# KiCad board sun3_60.kicad_pcb (continued)
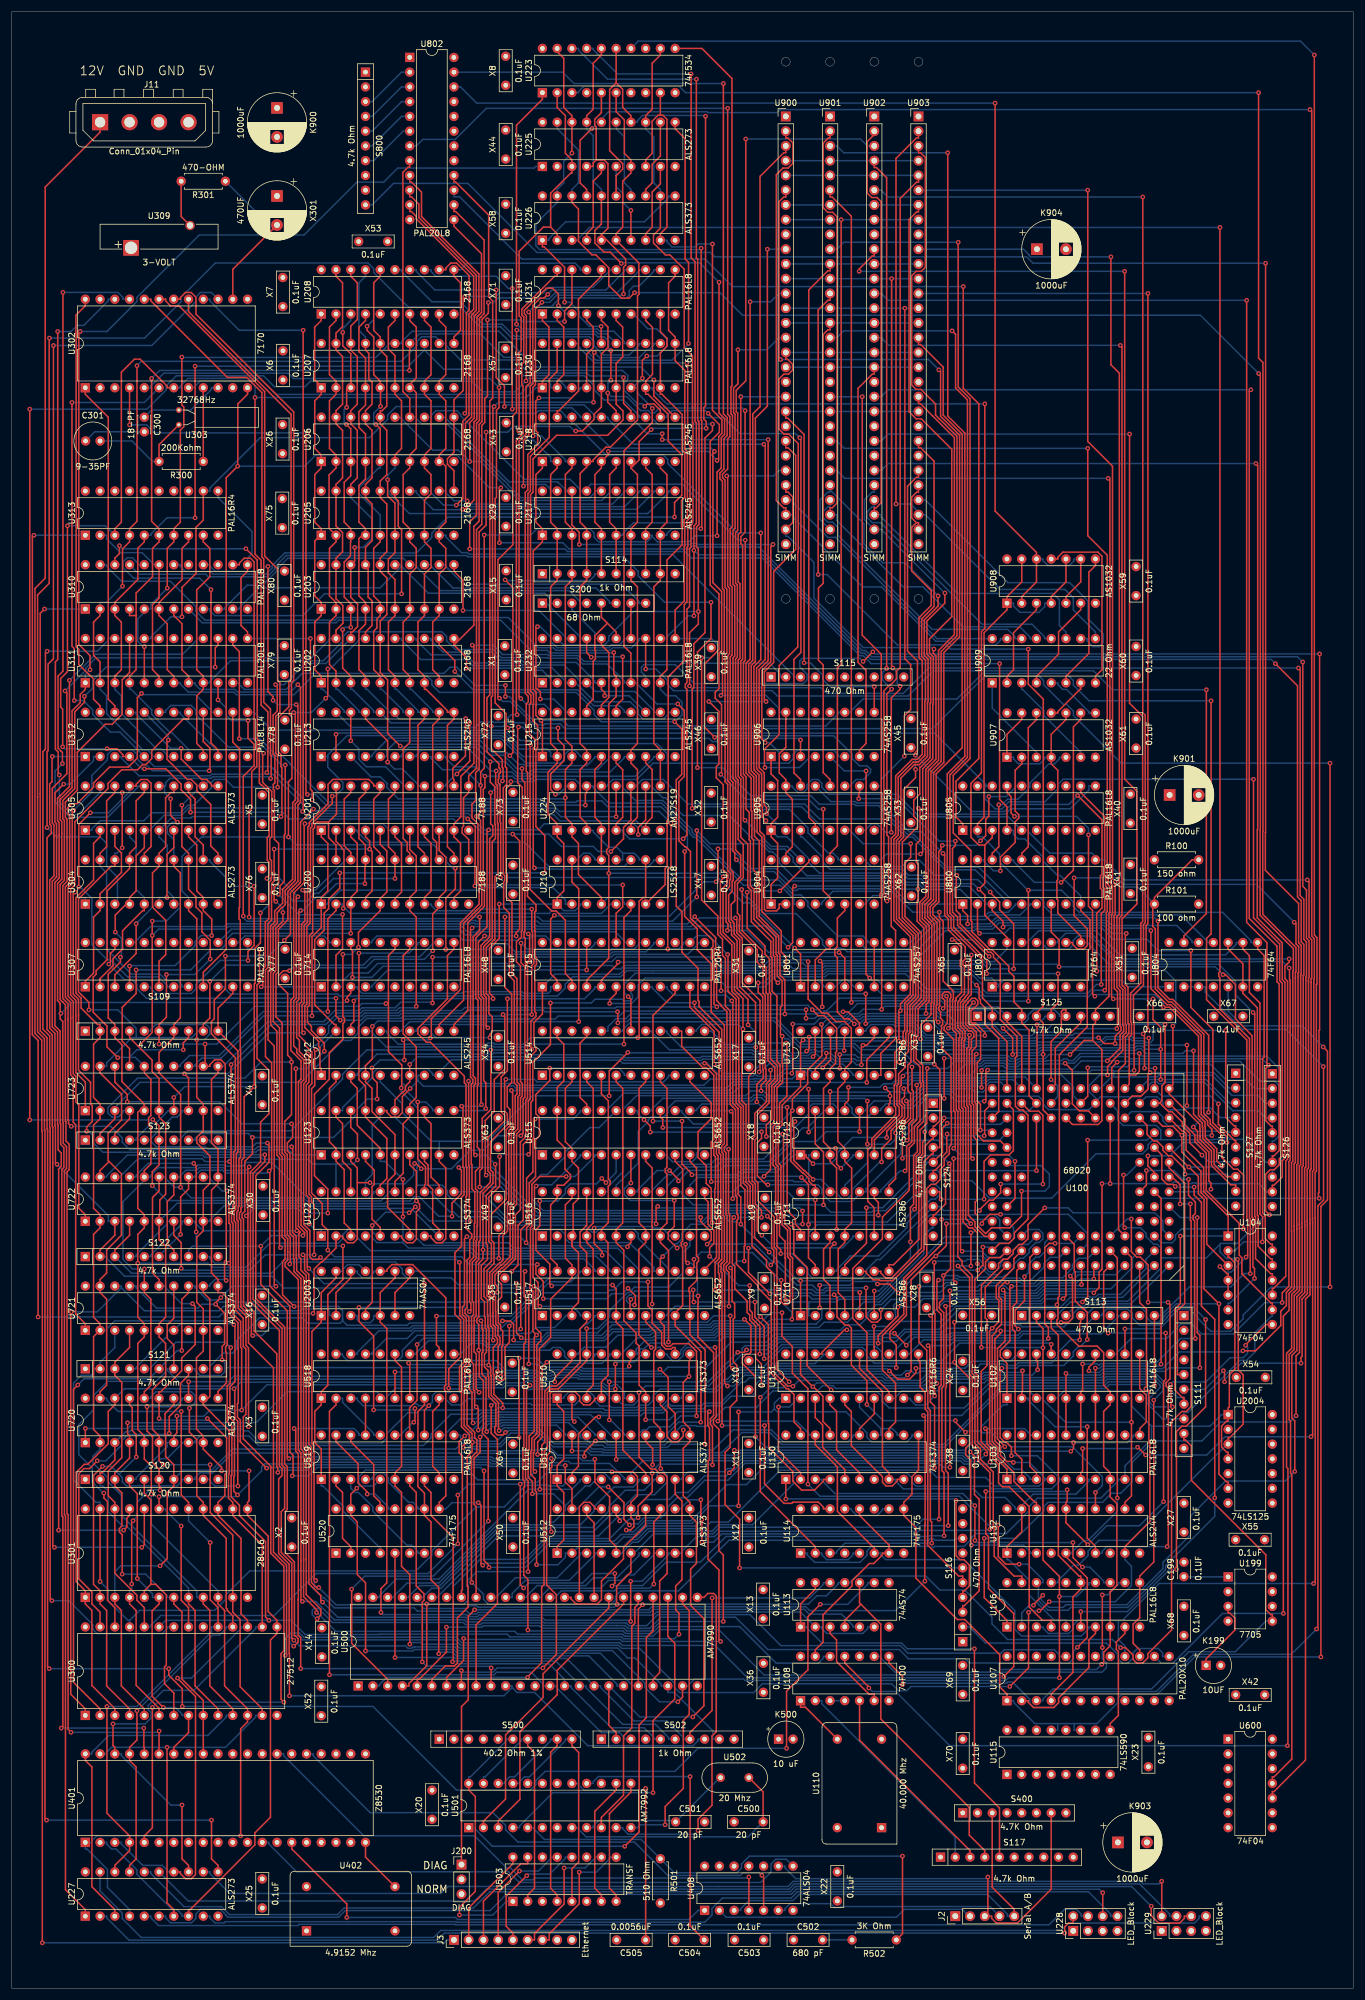
[diagram p0: board, top side]
## Routing (per net, layer and track width the routed paths; a pad name or vN(x,y) marks a point on that pad's centre or on a via; arc(x,y) is an arc through that point) (continued)
  Bottom w0.25: U232.19 95.11,231.29 102.1,231.29 102.87,232.07 102.87,232.8 107.14,237.07 v1(118.3,237.07) ; v1(221.68,227.34) 157.97,227.34 153.6,222.97 140.41,222.97 139.43,223.95 117.09,223.95 v1(116.78,224.26) ; v1(167.55,77.49) 173.07,77.49 177.81,82.24 177.81,82.97 178.53,83.69 187.9,83.69 189.46,85.24 191.05,85.24 193.06,87.25 193.06,90.6 196.72,94.25 205.02,94.25 208.29,97.53 220.19,97.53 v1(221.26,98.59) ; U223.18 97.65,334.02 97.65,333.74 102.65,328.73 v1(117.96,328.73)
/sun3_60_cpu/BERRCLK: length 308.6
  Top w0.25: U106.19 174,70.99 172.68,70.99 169.26,74.41 169.26,79.34 169.11,79.49 169.11,88.9 166.9,91.11 166.9,92.87 165.94,93.82 165.94,105.42 165.47,105.89 165.47,122.74 163.74,124.47 163.74,125.23 163.01,125.96 163.01,151.01 162.73,151.29 162.73,164.43 162.1,165.06 162.1,170.23 162.24,170.37 162.24,171.67 160.47,173.44 160.47,183.73 159.82,184.38 v1(159.82,185.3) ; v1(124.85,194.33) 124.58,194.6 124.58,195.51 124.26,195.83 124.26,207.68 123.8,208.13 123.8,229.28 124.12,229.59 124.12,241.29 123.8,241.6 123.8,251.34 124.17,251.71 124.17,270.83 123.92,271.09 123.92,275.73 124.09,275.9 124.09,328.85 118.91,334.02 U223.11
  Bottom w0.25: v1(124.85,194.33) 126.89,192.3 131.33,192.3 134.59,189.04 135.22,189.04 135.53,189.34 151.21,189.34 155.25,185.3 v1(159.82,185.3)
/sun3_60_cpu/BG-: length 65.5
  Top w0.25: v1(159,102.01) 159,102.95 158.6,103.34 158.6,103.98 158.6,103.98 158.6,115.57 v1(158.3,115.87)
  Bottom w0.25: U100.15 195.41,125.55 195.41,123.92 190.98,119.49 187.2,119.49 186.73,119.02 185.73,119.02 185.52,119.23 185.52,119.23 185.27,119.49 178.36,119.49 177.22,118.35 170.81,118.35 170.53,118.63 162.55,118.63 162.22,118.3 160.69,118.3 158.3,115.92 v1(158.3,115.87) ; U131.9 154.81,101.6 154.81,101.4 155.76,100.45 157.45,100.45 v1(159,102.01)
/sun3_60_cpu/BR-: length 58.9
  Top w0.25: 148.6,109.22 148.6,110.35 148.55,110.4 v1(148.55,113.98)
  Bottom w0.25: U100.16 193.08,125.75 193.08,124.15 189.4,120.47 185.82,120.47 185.8,120.46 177.96,120.46 176.76,119.25 171.18,119.25 170.9,119.53 162.17,119.53 161.84,119.2 154.34,119.2 153.32,118.18 152.52,118.18 151.94,117.6 151.94,116.94 152.27,116.61 152.27,115.38 150.87,113.98 v1(148.55,113.98)
/sun3_60_cpu/C.S5-: length 437
  Top w0.25: 138.44,95.26 138.44,93.6 142.25,89.79 142.25,82.13 148.32,76.07 148.6,76.07 U114.6 ; U313.8 30.48,249.07 29.35,247.95 29.35,242.58 25.4,238.63 U310.6 25.4,236.37 26.81,234.96 26.81,227.05 27.94,225.93 U311.7 ; v1(114.2,218.09) 115.43,216.86 115.43,209.02 114.5,208.09 114.5,186.36 115.48,185.38 115.48,178.41 118.24,175.65 118.24,170.12 118.43,169.93 118.43,169.05 122.32,165.16 122.32,150.34 122.32,150.33 122.32,145.63 121.87,145.18 121.87,143.83 122.15,143.55 122.15,132.89 122.33,132.7 122.33,125.48 122.19,125.34 122.19,125.34 121.76,124.91 121.76,123.19 121.92,123.02 121.92,97.94 v1(121.64,97.67) ; U232.9 111.76,225.93 112.89,227.05 112.89,245.94 115.51,248.56 115.51,251.56 115.4,251.66 115.4,256.18 115.96,256.73 115.96,264.41 115.51,264.86 115.51,268.7 115.51,268.71 115.51,271.01 112.04,274.47 111.76,274.47 U230.9 111.76,281.63 112.89,282.75 112.89,284.12 111.76,285.25 U231.9 ; U107.2 175.13,49.54 175.13,49.26 176.02,48.37 179.53,48.37 180.35,49.19 180.35,50.02 185.58,55.24 185.58,59.99 186.71,61.11 U106.7
  Bottom w0.25: U114.6 149.73,74.94 149.73,74.66 150.58,73.81 164.03,73.81 172.8,65.05 172.8,61.85 173.99,60.66 184.24,60.66 185.58,62 185.58,62.24 U106.7 ; 138.44,95.26 137.32,95.26 137.32,95.54 135.19,97.67 v1(121.64,97.67) ; U311.7 29.07,224.8 29.07,224.57 30.43,223.2 38.25,223.2 38.7,222.75 48.65,222.75 51.83,225.93 71.58,225.93 72.39,225.13 72.39,224.46 73.71,223.14 97.25,223.14 100.33,220.06 100.33,219.33 101.57,218.09 v1(114.2,218.09) 114.31,218.09 115.49,219.27 115.49,221.46 114.37,222.57 112.86,222.57 111.76,223.67 U232.9
/sun3_60_cpu/C.S7: length 8.8
  Bottom w0.25: U114.13 144.65,82.56 144.65,82.38 145.6,81.43 149.07,81.43 150.02,82.38 150.02,82.56 U114.10
/sun3_60_cpu/C.S7X-: length 219.7
  Top w0.25: v1(118.87,229.13) 118.87,187.4 121.65,184.62 121.65,181.47 122.46,180.66 122.46,177.85 122.95,177.35 122.95,169.12 123.78,168.29 123.78,152.21 124.25,151.74 124.71,151.28 124.71,136.52 124.96,136.27 124.96,133.31 125.14,133.12 125.14,132.45 124.96,132.27 124.96,131.96 124.88,131.88 124.88,124.68 128.61,120.95 128.61,120.57 130.86,118.32 130.86,105.86 133.46,103.27 133.76,103.27 134.77,102.25 134.77,97.52 135.91,96.39 U130.19 ; U232.11 114.3,237.32 115.88,238.9 115.88,248.3 115.96,248.38 115.96,251.74 115.86,251.85 115.86,252.83 116.41,253.38 116.41,264.6 115.96,265.04 115.96,278.6 114.3,280.26 U230.11 114.3,284.35 113.17,285.47 113.17,293.67 114.3,294.79 U231.11
  Bottom w0.25: v1(118.87,229.13) 120.51,229.13 121.67,230.29 121.67,231.32 120.57,232.42 U232.11
/sun3_60_cpu/C.S9-: length 238.4
  Top w0.25: v1(129.7,96.91) 129.7,86.87 133.06,83.51 134.39,83.51 134.6,83.72 138.98,83.72 139.86,82.84 139.86,82.56 U114.14 ; U311.14 38.1,231.29 39.23,230.17 v1(39.23,215.17) ; v1(122.37,96.91) 122.37,123.21 122.21,123.38 122.21,124.73 122.37,124.89 122.38,124.89 122.78,125.3 122.78,132.89 122.6,133.07 122.6,143.73 122.32,144.01 122.32,144.99 122.77,145.45 122.77,165.86 120.51,168.12 120.51,176.41 118.11,178.81 118.11,182.43 115.93,184.6 v1(115.93,195.74)
  Bottom w0.25: v1(129.7,96.91) v1(122.37,96.91) ; v1(39.23,215.17) 42.74,215.17 45.75,212.16 46.69,212.16 47.98,210.88 47.98,210.79 54.54,204.23 97.2,204.23 97.43,204.46 101.68,204.46 102.68,203.46 111.86,203.46 116.33,198.99 116.33,198.68 116.42,198.59 116.42,196.22 v1(115.93,195.74)
/sun3_60_cpu/C.S21-: length 333.9
  Top w0.25: v1(49.3,224.47) 49.77,224 49.77,204.22 49.31,203.77 49.31,190.59 48.49,189.77 48.49,189.77 47.59,188.87 47.59,183.97 45.96,182.34 45.96,175.01 45.53,174.59 45.53,167.28 46.6,166.21 46.6,143.83 47.05,143.38 47.05,129.58 47.55,129.07 47.55,126.85 47.55,126.85 47.55,125.39 47.12,124.96 47.12,124.3 49.39,122.03 49.39,92.7 49.84,92.24 49.84,92.11 49.84,92.1 49.84,73.58 49.84,73.58 49.84,66.87 v1(50.08,66.63) ; U311.8 30.48,225.93 29.35,227.05 29.35,234.96 27.94,236.37 U310.7
  Bottom w0.25: U107.20 180.5,57.16 180.5,57.44 179.65,58.29 171.01,58.29 170.43,57.72 154.39,57.72 153.1,59.01 132.53,59.01 127.19,64.35 111.29,64.35 109.39,62.45 106.33,62.45 105.86,62.93 91.73,62.93 91.28,63.38 80.89,63.38 80.62,63.1 78.35,63.1 78,63.45 55.6,63.45 52.42,66.63 v1(50.08,66.63) ; U311.8 31.61,224.8 31.61,224.52 32.47,223.66 38.43,223.66 38.88,223.2 48.03,223.2 v1(49.3,224.47)
/sun3_60_cpu/CLK1: length 319.1
  Top w0.25: v1(190.09,190.49) 190.09,184.87 189.94,184.71 189.94,172.18 190.5,171.62 190.5,165.37 v1(190.38,165.25) ; v1(62.13,131.36) 62.13,118.14 60.96,116.97 U2003.4 ; v1(68.47,133.55) 68.53,133.55 v1(69.55,134.57) ; v1(134.56,166.04) 134.56,157.73 v1(134.4,157.57) ; v1(161.37,165.3) 161.64,165.58 161.64,170.41 161.79,170.55 161.79,171.15 161.36,171.58 160.75,171.58 160.32,171.14 160.32,170.54 160.74,170.11 160.74,169.02 v1(160.47,168.75) ; v1(78.73,156.22) 78.73,141.74 78.85,141.62 78.85,132.29 v1(79.01,132.13) ; R100.2 203.36,194.32 196.87,187.83 R101.1 196.57,186.41 196.57,182.86 197.02,182.41 197.02,172.09 199.29,169.83 199.85,169.83 205.37,164.31 205.37,150.65 206.47,149.55 206.47,148.87 206.54,148.81 206.54,148.81 208.5,146.85 208.5,143.05 210.5,141.05 211.2,141.05 212.2,140.05 v1(212.2,130.77)
  Bottom w0.25: v1(78.73,156.22) 79.15,155.79 85.8,155.79 85.87,155.87 86.64,155.87 87,155.51 119.27,155.51 120.32,156.56 127.84,156.56 127.94,156.67 128.23,156.67 128.28,156.62 132.19,156.62 133.14,157.57 v1(134.4,157.57) ; v1(190.09,190.49) 190.94,189.64 193.93,189.64 R101.1 ; v1(190.38,165.25) 183.14,165.25 182.52,164.63 176.38,164.63 175.82,164.06 170.33,164.06 169.08,165.3 v1(161.37,165.3) ; v1(79.01,132.13) 71.99,132.13 v1(69.55,134.57) ; v1(68.47,133.55) 68.39,133.63 64.4,133.63 v1(62.13,131.36) ; U100.28 198.03,128.37 199.9,128.37 200.49,128.97 200.49,129.73 201.54,130.77 v1(212.2,130.77) ; v1(160.47,168.75) 159.66,169.55 145.71,169.55 143.54,167.39 140.77,167.39 140.74,167.37 140.33,167.37 139.98,167.03 139.23,167.03 138.24,166.04 v1(134.56,166.04)
/sun3_60_cpu/CLK2X: length 16.4
  Top w0.25: U108.6 148.6,50.67 147.7,50.67 142.11,56.25 142.11,59.99 140.99,61.11 U113.3
/sun3_60_cpu/CLKA: length 160.4
  Top w0.25: v1(52.38,70.22) 52.1,70.5 52.1,93.45 51.73,93.83 51.73,113.1 53.34,114.72 U2003.1 53.34,119.8 55.88,122.34 U2003.13
  Bottom w0.25: v1(52.38,70.22) 52.17,70.02 52.17,68.71 53.65,67.23 53.87,67.23 55.59,65.52 69.34,65.52 69.91,64.95 78.41,64.95 78.91,64.46 80.06,64.46 80.33,64.73 109.95,64.73 110.47,65.26 136.57,65.26 137.39,64.44 142.94,64.44 144.94,62.44 144.94,62.24 U113.5 ; U2003.11 59.83,124.59 57.85,124.59 57.01,123.75 57.01,123.47 U2003.13
/sun3_60_cpu/CLKA-: length 155.5
  Top w0.25: v1(63.62,64.73) 63.62,68.83 64.63,69.84 64.63,113.59 63.5,114.72 U2003.5 63.5,119.8 66.04,122.34 U2003.9
  Bottom w0.25: U2003.3 59.55,115.84 59.55,115.15 60.07,114.63 61.8,114.63 62.37,115.21 62.37,115.84 U2003.5 ; U113.6 147.48,62.24 147.48,61.96 146.63,61.11 140.42,61.11 139.57,61.96 139.57,62.24 U113.2 135.88,64.81 111.11,64.81 110.59,64.28 80.52,64.28 80.24,64.01 78.72,64.01 78.37,64.35 64,64.35 v1(63.62,64.73)
/sun3_60_cpu/D0: length 288.4
  Top w0.25: v1(165.71,169.74) 164.81,168.83 164.81,166.18 165.24,165.75 165.78,165.75 166.92,164.62 166.92,159.99 166.34,159.42 166.34,152.79 166.34,152.78 166.9,152.23 v1(166.9,147.77) ; U900.3 133.37,316.06 133,316.06 128.93,311.99 128.93,272.35 127.67,271.09 127.67,228.67 126.97,227.97 126.97,209.44 127.85,208.56 127.85,202.99 127.97,202.87 127.97,198.37 128.79,197.55 128.79,189.58 128.79,189.58 128.79,184.58 132.13,181.24 132.13,178.26 132.35,178.03 132.35,174.49 133.2,173.65 v1(133.2,167.78) ; v1(157.31,147.48) 157.31,146.05 156.94,145.68 156.94,143.67 156.28,143.02 156.28,128.96 151.92,124.59 151.15,124.59 U710.8
  Bottom w0.25: v1(157.31,147.48) 157.64,147.81 157.64,149.86 S124.2 159.89,149.86 159.89,149.18 160.84,148.23 166.44,148.23 v1(166.9,147.77) 168.47,147.77 U100.130 ; v1(165.71,169.74) 165.48,169.97 160.88,169.97 160.35,170.51 142.61,170.51 140.37,168.27 139.95,168.27 139.61,167.93 138.63,167.93 138.48,167.78 v1(133.2,167.78) 106.61,167.78 105.8,166.97 104.12,166.97 102.73,165.58 102.73,164.84 U514.20
/sun3_60_cpu/D1: length 299.1
  Top w0.25: v1(132.47,280.46) 132.19,280.73 132.19,307.63 133,308.44 133.37,308.44 U900.6 ; U710.9 149.73,123.47 149.73,123.18 150.58,122.34 151.62,122.34 156.73,127.46 156.73,142.83 157.39,143.49 157.39,145.1 158.48,146.19 158.77,146.19 S124.3 158.77,148.45 158.96,148.45 159.9,149.38 159.9,158.17 v1(158.95,159.12) 158.95,165.97 158.84,166.08 158.84,169.42 158.96,169.54 158.96,169.83 158.96,169.83 158.96,183.32 158.47,183.82 158.47,183.83 157.79,184.51 157.79,186.42 158.82,187.45 158.82,196.1 158.82,196.1 158.82,196.84 158.81,196.85 158.81,209.31 160.58,211.08 160.58,230 163.3,232.72 163.3,267.42 160.03,270.69 160.03,278.39 v1(159.74,278.68)
  Bottom w0.25: U514.19 105.27,164.84 105.27,165.03 106.66,166.42 123.13,166.42 123.33,166.63 131.28,166.63 134.65,163.26 134.65,163.13 135.67,162.11 137.26,162.11 137.31,162.05 137.38,162.05 137.38,162.06 138.73,162.06 138.74,162.05 139.7,162.05 139.86,162.21 144.96,162.21 146.46,160.72 154.06,160.72 155.66,159.12 v1(158.95,159.12) ; S124.3 159.89,147.32 161.14,146.08 170.22,146.08 U100.129 ; v1(159.74,278.68) 157.96,280.46 v1(132.47,280.46)
/sun3_60_cpu/D2: length 274.9
  Top w0.25: v1(166.22,172.75) 166.67,172.29 166.67,170.45 166.89,170.23 166.89,169.63 167.72,168.8 167.72,165.87 170.04,163.56 170.04,150.97 U100.143 ; v1(130.19,299.46) 130.19,272.43 128.12,270.37 128.12,228.48 128.01,228.37 128.01,228.37 127.42,227.78 127.42,209.63 127.87,209.18 127.87,209.18 128.3,208.75 128.3,203.18 128.42,203.06 128.42,199.07 129.24,198.26 129.24,185.41 132.58,182.07 132.58,178.44 133.39,177.64 v1(133.39,175.36) ; v1(106.21,170.76) 106.68,170.29 U514.18 ; U710.10 147.19,123.47 147.19,123.21 148.41,122 149.46,122 149.59,121.87 151.8,121.87 157.19,127.25 157.19,142.36 158.48,143.65 158.77,143.65 S124.4 159.89,144.78 159.89,148.72 160.63,149.45 v1(160.63,149.86)
  Bottom w0.25: 133.39,175.18 v1(133.39,175.36) ; 133.39,175.18 133.41,175.15 139.83,175.15 140.27,175.59 154.81,175.59 154.82,175.6 163.23,175.6 166.08,172.75 v1(166.22,172.75) ; 133.39,175.18 130.96,175.18 130.56,174.78 110.48,174.78 110.47,174.78 107.41,174.78 105.54,172.91 105.54,171.44 v1(106.21,170.76) ; U100.143 v1(160.63,149.86) ; U900.10 v1(130.19,299.46)
/sun3_60_cpu/D3: length 264.1
  Top w0.25: v1(132.49,126.52) 132.49,127.17 131.83,127.83 131.83,133.07 131.61,133.29 131.61,141.31 131.18,141.73 131.18,148.41 131.84,149.06 131.84,155.04 132.81,156.02 132.81,159.25 132.74,159.32 v1(132.74,163.95) 132.44,164.25 132.44,168.93 132.73,169.22 132.73,173.48 131.9,174.3 131.9,177.84 131.68,178.07 131.68,181.05 128.33,184.4 128.33,192.03 127.79,192.57 127.79,197.76 127.52,198.04 127.52,202.68 127.39,202.81 127.39,208.37 126.52,209.25 126.52,228.16 126.83,228.47 126.83,228.47 127.22,228.86 v1(127.22,290.4) ; v1(147.26,134.41) 147.26,128.33 143.53,124.59 U710.11 ; v1(161.17,148.95) 160.35,148.14 160.35,143.9 158.77,142.31 S124.5
  Bottom w0.25: U100.142 170.37,148.77 161.35,148.77 v1(161.17,148.95) ; U514.17 110.35,164.84 110.35,164.56 113.31,161.59 127.62,161.59 127.9,161.32 129.18,161.32 129.37,161.51 133.23,161.51 134.19,162.47 134.19,163.07 133.77,163.5 133.19,163.5 v1(132.74,163.95) ; v1(147.26,134.41) 150.06,134.41 157.64,142 157.64,142.24 S124.5 ; v1(132.49,126.52) 134.45,126.52 137.18,123.79 137.18,123.07 137.91,122.33 142.39,122.33 U710.11 ; U900.13 132.19,291.84 130.76,290.4 v1(127.22,290.4)
/sun3_60_cpu/D4: length 252.6
  Top w0.25: v1(161.15,147.1) 161.09,147.05 161.09,144 160.2,143.11 160.2,141.98 159.05,140.83 158.77,140.83 S124.6 ; 128.15,162.05 128.15,169.74 125.42,172.47 125.42,180.61 124.46,181.57 124.46,183.34 124.34,183.45 124.34,183.63 123.97,184.01 123.97,186.65 124.58,187.26 124.58,190.44 125.58,191.45 125.58,195.15 124.71,196.02 124.71,207.87 124.26,208.32 124.26,229.09 124.57,229.41 124.57,241.48 124.26,241.79 124.26,251.03 124.62,251.4 124.62,271.02 124.37,271.28 124.37,275.54 125.12,276.29 v1(125.12,282.14) ; 128.15,162.05 v1(128.2,162.05) ; 128.15,162.05 128.15,158.21 126.97,157.02 126.97,139.02 127.67,138.32 127.67,134.83 128.44,134.06 128.44,130.48 v1(129.23,129.68) ; U710.12 140.99,127.49 v1(141.74,128.24) ; U100.156 167.62,151.1 167.62,146.88 v1(167.55,146.81)
  Bottom w0.25: v1(129.23,129.68) 130.68,128.24 v1(141.74,128.24) ; v1(167.55,146.81) 161.44,146.81 v1(161.15,147.1) ; v1(128.2,162.05) 115.39,162.05 112.89,164.55 112.89,164.84 U514.16 ; U710.12 142.11,123.47 142.11,123.75 144.47,126.1 149.33,126.1 154.24,131.02 154.24,131.76 158.37,135.89 159.09,135.89 159.9,136.7 159.9,137.71 159.04,138.57 158.77,138.57 S124.6 ; v1(125.12,282.14) 130.11,282.14 132.19,284.22 133.37,284.22
/sun3_60_cpu/D5: length 264.3
  Top w0.25: v1(120.51,138.91) 120.51,145.74 120.97,146.19 120.97,151.07 120.96,151.07 120.96,154.3 120.97,154.3 120.97,157.25 119.65,158.56 119.06,158.56 115.43,162.2 115.43,164.84 U514.15 ; v1(125.61,274.06) 125.61,250.77 125.63,250.75 125.16,250.28 125.16,242.16 125.47,241.85 125.47,229.03 125.16,228.72 125.16,208.69 125.61,208.24 125.61,198.2 126.81,197 126.81,189.64 127.01,189.44 127.43,189.02 127.43,183.64 130.77,180.3 130.77,177.69 131,177.47 131,171.69 131.84,170.85 131.84,159.58 132.36,159.06 132.36,156.21 131.39,155.23 131.39,149.25 130.73,148.6 130.73,140.95 v1(129.6,139.82) ; v1(136.04,139.64) 137.27,138.41 v1(137.27,131.53) 137.27,125.77 138.44,124.59 U710.13 ; U100.155 172.56,151.3 172.56,144.25 171.83,143.51 168.63,143.51 167.52,142.4 v1(167.52,135.89) ; S124.7 159.89,137.16 159.89,136.09 v1(160.11,135.86)
  Bottom w0.25: v1(120.51,138.91) 125.05,138.91 125.78,139.63 129.41,139.63 v1(129.6,139.82) 135.86,139.82 v1(136.04,139.64) ; S124.7 156.06,137.16 150.85,131.95 137.69,131.95 v1(137.27,131.53) ; U900.20 v1(125.61,274.06) ; v1(167.52,135.89) 167.49,135.86 v1(160.11,135.86)
/sun3_60_cpu/D6: length 248.8
  Top w0.25: v1(135.91,121.82) U710.1 ; v1(177.65,138.49) 177.65,150.33 176.93,151.04 175.36,151.04 U100.154 ; v1(166.74,133.94) 166.74,134.07 168.39,135.71 169.1,135.71 170.38,136.99 v1(170.38,138.49) ; v1(129.97,221.57) 129.68,221.87 129.68,226.71 131.27,228.3 131.27,243.97 135.06,247.76 135.06,263.95 133.76,265.26 133.37,265.26 133.37,266.44 ; v1(130.5,126.77) 127.99,129.28 127.99,133.87 127.21,134.65 127.21,138.13 126.51,138.83 126.51,152.1 125.79,152.82 125.79,164.98 v1(125.99,165.18) 125.99,170.41 124.52,171.87 124.52,179.88 122.55,181.84 122.55,189.49 123.22,190.16 123.22,191 123.4,191.18 123.4,191.78 122.58,192.61 122.58,207.25 121.39,208.44 121.39,210.37 121.84,210.82 121.84,219.86 120.13,221.57 v1(120.1,221.57)
  Bottom w0.25: U514.14 117.97,164.84 117.97,165.04 118.9,165.97 125.2,165.97 v1(125.99,165.18) ; v1(166.74,133.94) 160.58,133.94 159.89,134.62 S124.8 149.64,125.49 149.03,125.49 147.27,123.74 147.27,123 146.44,122.17 144.89,122.17 144.54,121.82 v1(135.91,121.82) 135.45,121.82 v1(130.5,126.77) ; v1(129.97,221.57) v1(120.1,221.57) ; v1(170.38,138.49) v1(177.65,138.49)
/sun3_60_cpu/D7: length 243.9
  Top w0.25: v1(133.35,118.48) 133.3,118.54 133.3,125.7 133.22,125.77 133.22,128.65 132.28,129.59 132.28,133.3 132.06,133.52 132.06,141.49 131.64,141.92 131.64,148.22 132.29,148.88 132.29,152.39 133.54,153.64 133.54,162.7 v1(133.47,162.77) ; S124.9 158.77,133.21 159.01,133.21 160.88,135.07 v1(160.88,140.8) ; U100.140 v1(176.55,140.8) ; v1(126.86,165.9) 126.86,170.28 124.97,172.17 124.97,180.42 124.01,181.38 124.01,182.6 123.85,182.75 123.85,183.49 123.52,183.82 123.52,188.27 124.13,188.88 124.13,190.63 124.31,190.81 124.31,192.16 123.8,192.66 123.8,207.49 123.35,207.94 123.35,229.47 123.67,229.78 123.67,241.1 123.35,241.41 123.35,260.26 v1(123.19,260.42)
  Bottom w0.25: v1(133.35,118.48) 133.64,118.19 137.32,118.19 ; 137.32,118.19 137.32,115.84 U710.2 ; 137.32,118.19 142.12,118.19 142.57,118.65 149.32,118.65 157.12,126.45 157.12,129.59 158.48,130.95 158.77,130.95 S124.9 ; 128.18,162.77 v1(133.47,162.77) ; 128.18,162.77 127.9,162.77 127.66,162.53 122.81,162.53 120.51,164.84 U514.13 ; 128.18,162.77 128.18,164.59 v1(126.86,165.9) ; v1(123.19,260.42) 131.25,260.42 132.19,261.36 U900.25 ; v1(176.55,140.8) v1(160.88,140.8)
/sun3_60_cpu/D8: length 286.5
  Top w0.25: U100.168 171.47,163.01 168.93,165.55 S125.2 168.93,168.83 167.24,170.52 167.24,177.12 161.83,182.54 161.83,184.29 161.18,184.94 161.18,209.11 164.2,212.14 164.2,267.8 161.26,270.74 v1(161.26,316.06) ; v1(137.29,154.84) v1(137.29,147.42) ; U711.8 151.15,138.29 152.27,139.42 v1(152.27,147.29) 152.27,147.84 154.41,149.97 154.41,152.52 v1(154.13,152.8)
  Bottom w0.25: v1(137.29,154.84) 136.87,155.26 128.46,155.26 128.4,155.2 125.29,155.2 124.24,154.16 105.46,154.16 102.73,151.42 102.73,151.14 U515.20 ; U100.168 170.37,156.03 168.47,156.03 167.81,155.38 167.81,154.82 167.35,154.35 165.93,154.35 165.38,154.91 156.95,154.91 154.84,152.8 v1(154.13,152.8) ; v1(137.29,147.42) 138.11,148.24 151.32,148.24 v1(152.27,147.29) ; v1(161.26,316.06) 143.34,316.06 142.16,317.24 U901.3
/sun3_60_cpu/D9: length 312.8
  Top w0.25: S125.3 171.47,166.44 174,163.9 U100.167 ; U711.9 148.6,136.03 149.31,135.33 v1(149.31,133.13) ; U901.6 140.99,308.44 141.35,308.44 144.65,305.14 v1(144.65,169.77) ; v1(155.91,155.53) 155.91,149.56 155.06,148.71 155.06,145.86 155.01,145.81 155.01,145.73 154.59,145.3 154.51,145.3 154.18,144.98 154.18,141.03 v1(153.9,140.76)
  Bottom w0.25: U100.167 172.48,156.46 170.64,156.46 170.63,156.48 168.28,156.48 167.66,155.86 156.24,155.86 v1(155.91,155.53) ; v1(144.65,169.77) 144.94,170.06 160.16,170.06 160.74,169.48 161.1,169.48 161.59,168.99 169.85,168.99 S125.3 ; v1(153.9,140.76) 153.05,140.76 149.73,137.44 149.73,137.16 U711.9 ; U515.19 101.21,148.21 99.59,148.21 95.25,143.87 95.25,143.11 92.27,140.13 91.25,140.13 89.61,138.5 89.61,135.87 91.56,133.93 131.09,133.93 131.9,133.13 v1(149.31,133.13)
/sun3_60_cpu/D10: length 271.3
  Top w0.25: v1(110.03,147.44) 110.03,148.46 v1(108.94,149.55) ; v1(130.29,138.37) 130.03,138.37 128.47,139.92 128.47,145.64 129.19,146.36 v1(129.19,147.5) ; U100.153 175.28,153.67 175.28,164.97 174,166.25 S125.4 174,168.5 172.66,169.84 172.66,174.23 171.77,175.12 171.77,175.98 168.9,178.85 168.51,178.85 165.41,181.96 165.41,183.67 165.26,183.82 165.26,195.88 162.22,198.93 162.22,208.88 165.1,211.76 165.1,273.7 163.06,275.74 v1(163.06,300.65)
  Bottom w0.25: 146.46,137.16 144.79,135.49 140.99,135.49 139.58,136.9 139.58,137.66 138.87,138.37 v1(130.29,138.37) ; 146.46,137.16 U711.10 ; 146.46,137.16 147.19,137.16 147.19,137.69 153.18,143.68 153.18,146.06 158.12,151 175.14,151 U100.153 ; v1(108.94,149.55) 107.81,150.68 107.81,151.14 U515.18 ; U901.10 142.16,299.46 143.35,300.65 v1(163.06,300.65) ; v1(129.19,147.5) 129.13,147.44 v1(110.03,147.44)
/sun3_60_cpu/D11: length 273.9
  Top w0.25: v1(147.42,152.78) v1(147.42,145.35) ; v1(160.65,153.25) v1(160.65,160.14) ; v1(138.94,243.44) 138.94,288.98 140.62,290.66 140.99,290.66 U901.13 ; U100.139 177.7,151.25 v1(177.7,160.8) 177.7,166.22 S125.5 176.55,167.94 177.72,169.12 177.72,221.98 175.13,224.58 v1(175.13,230.59)
  Bottom w0.25: v1(160.65,160.14) 166.57,160.14 167.08,160.65 171.57,160.65 171.71,160.5 172.14,160.08 172.74,160.08 173.17,160.5 173.29,160.63 177.08,160.63 177.26,160.8 v1(177.7,160.8) ; v1(138.94,243.44) 140.46,243.44 152.57,231.32 160.99,231.32 161.72,230.59 v1(175.13,230.59) ; U711.11 143.53,138.29 147.42,142.18 v1(147.42,145.35) 151.4,145.35 156.18,150.13 156.18,151.88 157.83,153.53 160.37,153.53 v1(160.65,153.25) ; U515.17 110.35,151.14 110.35,151.42 112.18,153.25 127.29,153.25 127.85,153.81 129.49,153.81 130.07,153.23 146.96,153.23 v1(147.42,152.78)
/sun3_60_cpu/D12: length 265.4
  Top w0.25: v1(138.07,139.28) 138.07,139.36 136.6,140.82 136.48,140.82 134.73,142.57 134.73,149.03 v1(134.96,149.26) ; v1(112.17,148.22) 112.17,149.6 111.76,150.01 U515.16 ; v1(167.98,174.72) 167.98,177.02 162.28,182.72 162.28,184.48 161.63,185.13 161.63,196.68 161.63,196.68 161.63,208.93 164.65,211.95 164.65,273.52 162.61,275.56 162.61,284.8 v1(162.02,285.39) ; S125.6 179.09,168.5 180.27,169.68 v1(180.27,174.72) ; v1(149.88,142.31) 149.88,144.62 151.5,146.24 151.5,147.7 153.82,150.02 153.82,152.08 153.41,152.5 153.41,153.1 153.82,153.51 153.82,154.77 v1(153.68,154.91) ; v1(176.64,165.92) 176.64,155.03 U100.166
  Bottom w0.25: v1(112.17,148.22) 133.92,148.22 v1(134.96,149.26) ; v1(176.64,165.92) 176.74,165.92 177.96,167.14 177.96,167.38 S125.6 ; v1(149.88,142.31) 149.57,142.31 144.8,137.53 144.8,136.8 143.99,135.99 143,135.99 142.11,136.88 142.11,137.16 141.55,137.16 ; U711.12 141.55,137.16 ; 141.55,137.16 139.42,139.28 v1(138.07,139.28) ; v1(167.98,174.72) v1(180.27,174.72) ; v1(162.02,285.39) 143.34,285.39 142.16,284.22 140.99,284.22 ; v1(153.68,154.91) 153.97,154.91 155.38,156.31 167.47,156.31 168.09,156.93 170.81,156.93 170.83,156.92 174.57,156.92 U100.166
/sun3_60_cpu/D13: length 234.9
  Top w0.25: S125.7 181.62,168.5 181.13,168.5 180.84,168.21 180.84,164.8 179.06,163.02 v1(179.06,156.47) ; U711.13 138.44,138.29 138.04,138.29 137.34,138.98 137.34,139.44 136.41,140.36 136.29,140.36 134.23,142.42 134.23,150.87 v1(134.5,151.14) 134.5,153.12 137.13,155.76 137.13,158.15 139.58,160.59 139.58,165.91 v1(139.5,165.98) ; v1(146.54,274.06) 146.54,232.98 149.81,229.7 149.81,188.67 149.61,188.46 149.61,187.86 149.88,187.59 v1(149.88,168.57)
  Bottom w0.25: v1(134.5,151.14) 132.19,148.83 117.45,148.83 115.43,150.86 115.43,151.14 U515.15 ; v1(139.5,165.98) 139.57,165.98 140.51,166.92 140.93,166.92 140.95,166.94 143.73,166.94 144.61,167.82 145.9,167.82 146.65,168.57 v1(149.88,168.57) 150.4,169.1 159.09,169.1 160.17,168.02 161.1,168.02 161.59,168.5 169.45,168.5 170.34,167.61 170.34,166.91 171,166.25 174.47,166.25 175.13,166.91 175.13,167.61 176.02,168.5 179.65,168.5 180.5,167.66 180.5,167.38 S125.7 ; v1(179.06,156.47) 179.1,156.47 180.18,155.39 180.18,153.5 U100.152 ; U901.20 v1(146.54,274.06)
/sun3_60_cpu/D14: length 284.1
  Top w0.25: v1(128.62,173.14) 128.62,171.52 129.38,170.75 129.38,158.21 129.49,158.1 129.49,156.77 128.37,155.64 v1(128.37,152.63) ; v1(133.59,151.7) 133.59,133.95 135.02,132.52 135.02,131.56 135.91,130.67 U711.1 ; v1(185.37,265.17) 185.37,250.14 188.74,246.77 188.74,191.44 188.46,191.16 188.46,189.81 188.74,189.54 188.74,185.43 188.58,185.27 188.58,172.15 v1(188.29,171.85) ; S125.8 184.16,166.25 179.79,161.87 179.79,155.65 U100.165
  Bottom w0.25: 185.29,170.56 186.59,171.85 v1(188.29,171.85) ; 185.29,170.56 185,170.85 167.64,170.85 166.47,172.02 157.7,172.02 154.6,175.12 154.25,175.12 154.23,175.14 140.46,175.14 139.95,174.63 131.07,174.63 129.58,173.14 v1(128.62,173.14) ; 185.29,170.56 185.29,167.38 S125.8 ; v1(133.59,151.7) 129.3,151.7 v1(128.37,152.63) 128.01,152.27 118.9,152.27 117.97,151.33 117.97,151.14 U515.14 ; 140.99,266.44 142.16,266.44 143.43,265.17 v1(185.37,265.17)
